# Allegro board WNS_FDM_2V1-1221P2.brd (continued)
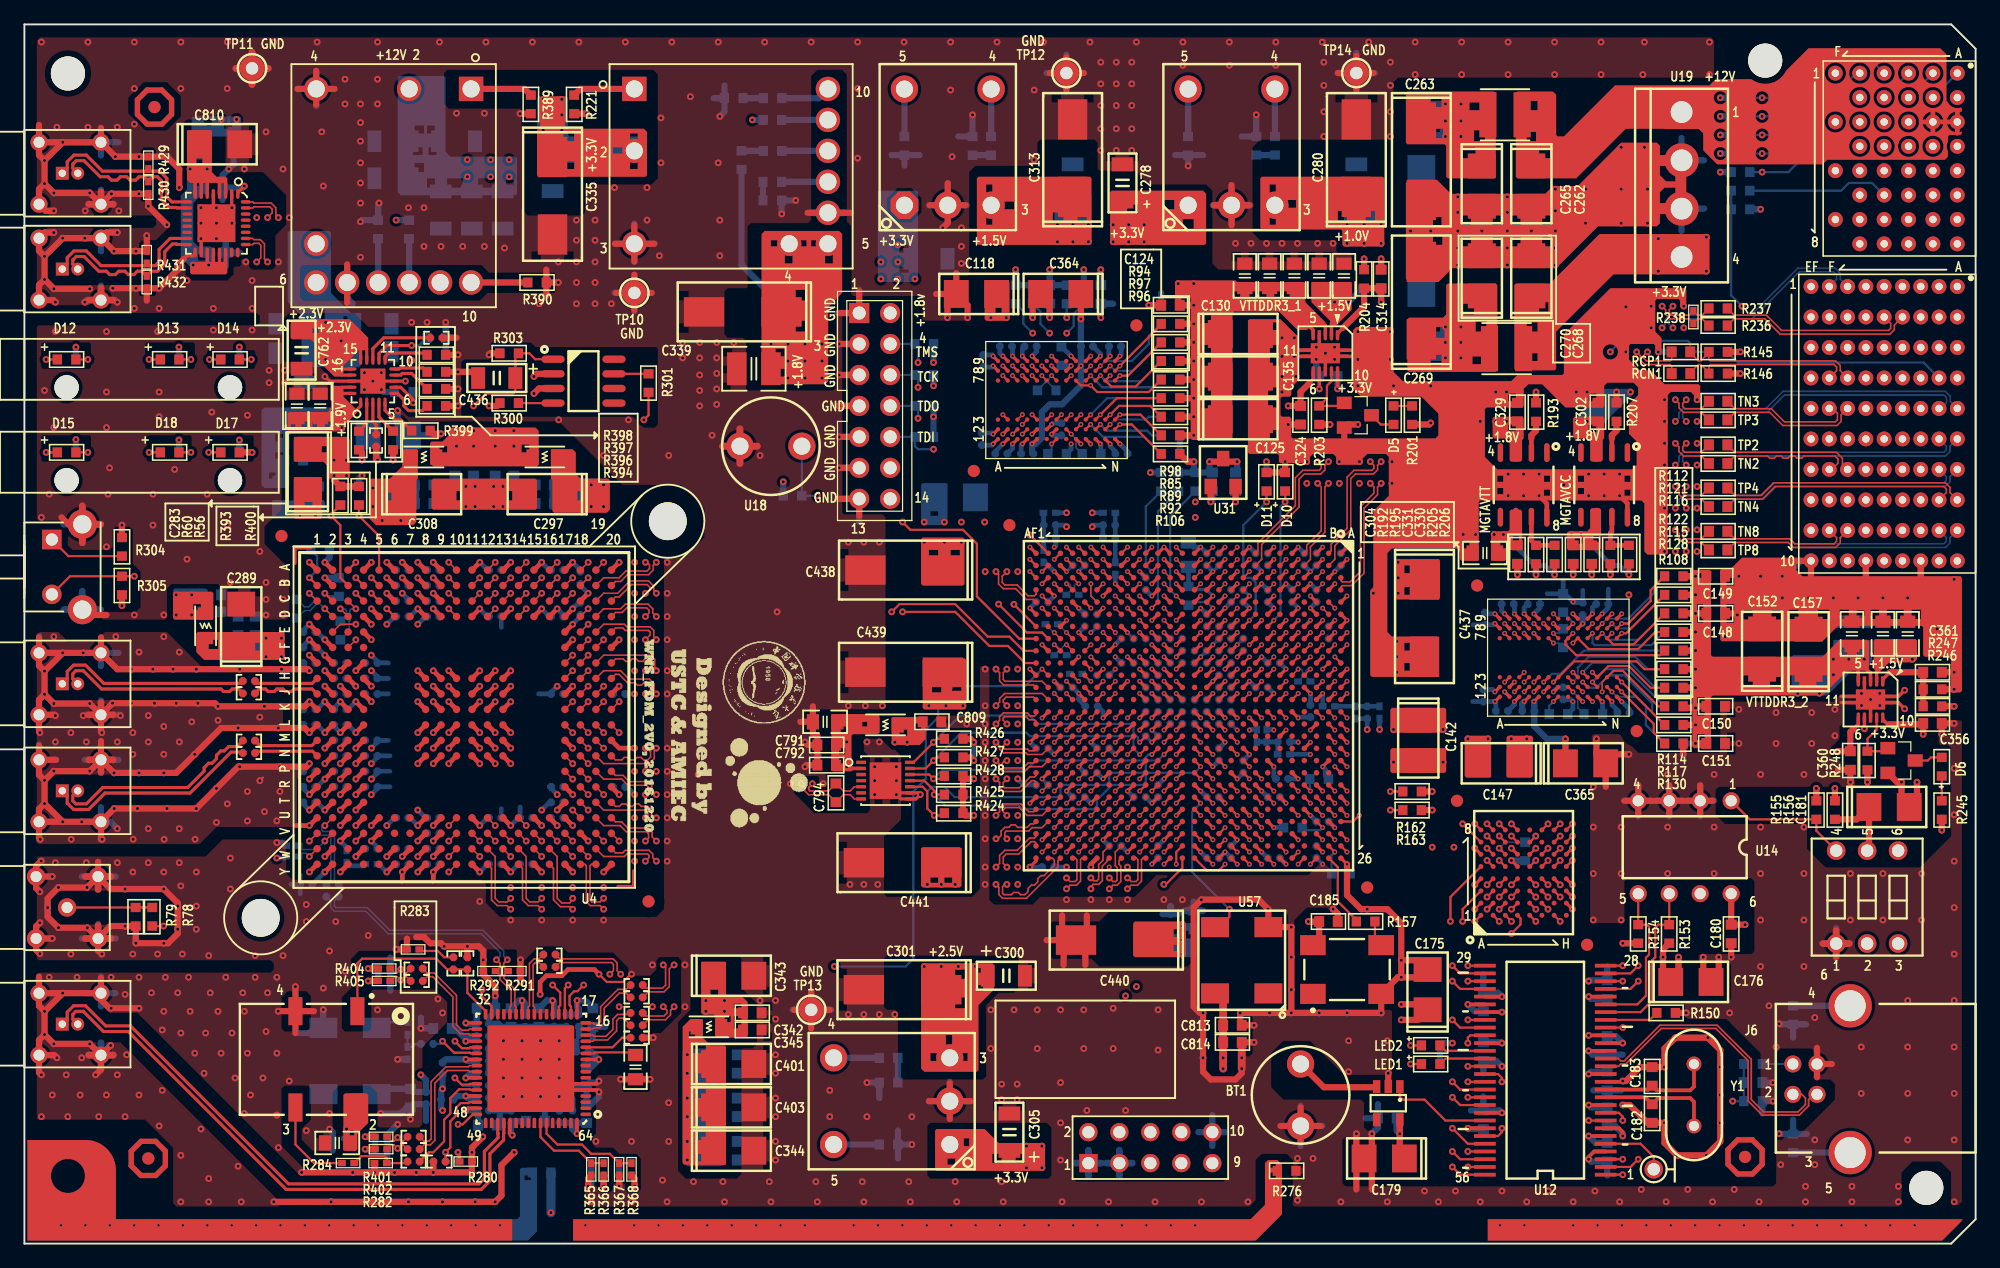
[diagram p0: board, top side]
## Routing (per net, layer and track width the routed paths; a pad name or vN(x,y) marks a point on that pad's centre or on a via; arc(x,y) is an arc through that point) (continued)
ORI_P: length 44.1
  TOP w0.124: U15.AE13 83.45,45.12 80.38,45.12 79.97,44.71 79.97,44.42 v2(79.67,44.12) ; U4.K17 v2(44.96,44.45)
  ART03 w0.109: v2(79.67,44.12) 79.9,43.89 79.9,43.63 79.79,43.52 76.74,43.52 76.42,43.84 76.42,44.86 75.06,46.23 49.98,46.23 48.99,45.24 45.5,45.24 45.21,44.95 45.21,44.7 v2(44.96,44.45)
ORQ_N: length 52.4
  TOP w0.124: U15.AD13 v1(84.45,45.12) ; U4.L18 v2(46.23,41.91)
  ART03 w0.109: v1(84.45,45.12) 84.58,44.99 84.58,44.5 84.45,44.37 83.06,44.37 82.19,45.25 77.44,45.25 75.34,47.35 54.25,47.35 53.54,48.06 48.38,48.06 46.83,46.51 44.61,46.51 44.17,46.07 44.17,41.49 44.54,41.12 45.68,41.12 45.97,41.41 45.97,41.65 v2(46.23,41.91)
ORQ_P: length 52.4
  TOP w0.124: U15.AC13 v1(85.45,45.12) ; U4.L17 v2(44.96,41.91)
  ART03 w0.109: v2(44.96,41.91) 45.55,41.91 45.66,41.8 45.66,41.54 45.55,41.43 44.67,41.43 44.48,41.62 44.48,45.94 44.74,46.2 46.96,46.2 48.51,47.75 53.41,47.75 54.12,47.03 75.21,47.03 77.31,44.93 82.06,44.93 82.93,44.06 83.52,44.06 83.73,43.86 84.05,43.86 84.26,44.06 84.58,44.06 84.89,44.37 84.89,44.94 85.07,45.12 v1(85.45,45.12)
PERSTN: length 18.2
  BOTTOM w0.178: R298.2 140.53,72.26 155.74,72.26 XJ3.B4
PETN0: length 20.1
  BOTTOM w0.124: TN1.2 140.26,68.17 142.9,68.17 144.32,69.6 157.4,69.6 157.61,69.39 157.61,68.96 157.15,68.5 XJ3.B5
PETN1: length 11.2
  TOP w0.124: TN3.2 140.26,68.48 143.25,68.48 144.32,67.4 148.51,67.4 148.67,67.56 148.67,68.12 148.29,68.5 XJ3.F5
PETN2: length 19.4
  BOTTOM w0.124: XJ3.B6 157.6,65.4 157.6,65.1 157.4,64.9 140.26,64.9 TN5.2
PETN3: length 19.9
  BOTTOM w0.124: XJ3.B7 157.6,62.9 157.6,62.6 157.4,62.4 143.51,62.4 142.47,61.37 140.26,61.37 TN7.2
PETN4: length 11.1
  TOP w0.124: XJ3.F7 148.21,63.5 148.72,64.01 148.72,64.34 148.46,64.6 145.91,64.6 145.73,64.42 145.35,64.42 145.17,64.6 144.79,64.6 144.61,64.42 144.23,64.42 144.06,64.6 143.68,64.6 143.5,64.42 143.12,64.42 142.94,64.6 140.26,64.6 TN2.2
PETN5: length 19.9
  TOP w0.124: XJ3.B8 157.6,61.6 157.6,61.9 157.4,62.1 143.55,62.1 142.52,61.06 140.26,61.06 TN4.2
PETN6: length 19.6
  BOTTOM w0.124: TN6.2 140.26,57.81 144.76,57.81 145.16,57.4 157.4,57.4 157.6,57.6 157.6,57.9 XJ3.B9
PETN7: length 10.6
  TOP w0.124: TN8.2 140.26,57.81 144.76,57.81 145.16,57.4 148.4,57.4 148.6,57.6 148.6,57.9 XJ3.F9
PETP0: length 20.5
  BOTTOM w0.124: TP1.2 140.26,68.48 142.77,68.48 144.2,69.9 157.52,69.9 157.91,69.51 157.91,69.09 XJ3.A5
PETP1: length 11.4
  TOP w0.124: TP3.2 140.26,68.17 143.12,68.17 144.2,67.1 148.63,67.1 148.97,67.44 148.97,67.97 XJ3.E5
PETP2: length 19.9
  BOTTOM w0.124: XJ3.A6 157.9,65.4 157.9,64.98 157.52,64.6 140.26,64.6 TP5.2
PETP3: length 20.4
  BOTTOM w0.124: TP7.2 140.26,61.06 142.6,61.06 143.63,62.1 157.52,62.1 157.9,62.48 157.9,62.9 XJ3.A7
PETP4: length 11
  TOP w0.124: TP2.2 140.26,64.9 148.59,64.9 149.08,64.4 149.08,63.92 XJ3.E7
PETP5: length 20.4
  TOP w0.124: TP4.2 140.26,61.37 142.39,61.37 143.43,62.4 157.52,62.4 157.9,62.02 157.9,61.6 XJ3.A8
PETP6: length 20.1
  BOTTOM w0.124: XJ3.A9 157.9,57.9 157.9,57.48 157.52,57.1 145.04,57.1 144.63,57.51 140.26,57.51 TP6.2
PETP7: length 11.1
  TOP w0.124: XJ3.E9 148.9,57.9 148.9,57.48 148.52,57.1 145.04,57.1 144.63,57.51 140.26,57.51 TP8.2
PKTEND: length 38.3
  TOP w0.178: U15.M24 v1(97.45,33.12) ; U12.46 v2(118.36,12)
  ART08 w0.119: v2(118.36,12) 117.73,12.64 117.73,14.1 114.17,17.65 105.92,17.65 104.9,18.67 104.9,24.13 103.25,25.78 103.25,27.69 102.49,28.45 99.82,28.45 97.97,30.3 97.97,32.34 97.45,32.85 v1(97.45,33.12)
PLL_STATUS_LD1: length 93.7
  TOP w0.178: v2(37.53,20.83) 37.53,20.26 38.32,19.47 U34.31 ; U15.T25 v1(92.45,32.12)
  ART03 w0.119: v1(92.45,32.12) 92.19,32.12 91.44,31.37 91.44,22.23 90.3,21.08 v2(90.3,20.32)
  ART08 w0.119: v2(37.53,20.83) 37.53,11.11 38.1,10.54 46.13,10.54 52.23,4.45 84.55,4.45 85.6,5.49 85.6,11.08 90.3,15.78 v2(90.3,20.32)
PLL_STATUS_LD2: length 86.6
  TOP w0.178: v2(35.56,9.78) 35.94,9.78 36.76,10.6 U34.48 ; U15.R25 v1(93.45,32.12)
  ART03 w0.119: v1(93.45,32.12) 92.95,31.62 92.2,31.62 91.82,31.24 91.82,21.72 v2(91.19,21.08)
  ART08 w0.119: v2(91.19,21.08) 91.19,16.13 85.98,10.92 85.98,5.33 84.71,4.06 52.07,4.06 45.97,10.16 35.94,10.16 v2(35.56,9.78)
PPS+: length 84.6
  TOP w0.124: U62.26 18.73,82.44 18.83,82.34 19.34,82.34 19.68,82 19.68,80.77 v2(19.94,80.52) ; U15.AC8 v1(85.45,50.12)
  ART03 w0.109: v1(85.45,50.12) 85.33,50.12 85.22,50.23 85.22,50.62 84.82,51.02 83.79,51.02 83.25,51.56 79.05,51.56 74.68,55.94 64.46,55.94 48.2,72.19 37.79,72.19 34.99,74.99 23.56,74.99 19.74,78.81 19.74,80.32 v2(19.94,80.52)
  BOTTOM w0.127: v1(85.45,50.12) 84.77,50.8 R434.1
PPS-: length 84.5
  TOP w0.124: v2(19.05,80.52) 19.38,80.85 19.38,81.88 19.22,82.04 18.83,82.04 18.73,81.94 U62.25 ; U15.AD8 v1(84.45,50.12)
  ART03 w0.109: v2(19.05,80.52) 19.18,80.52 19.43,80.26 19.43,78.68 23.43,74.68 34.86,74.68 37.12,72.42 37.66,71.88 48.07,71.88 57.69,62.26 64.33,55.63 74.55,55.63 78.93,51.25 83.12,51.25 83.66,50.71 84.69,50.71 84.9,50.49 84.9,50.23 84.79,50.12 v1(84.45,50.12)
  BOTTOM w0.127: R434.2 84.41,50.12 v1(84.45,50.12)
PROGM_B: length 42.9
  TOP w0.178: v1(94.45,51.12) U15.P6
  ART08 w0.119: 65.02,61.59 v2(65.02,61.34) 65.02,58.93 69.47,54.48 75.44,54.48 78.49,51.44 81.66,51.44 83.49,49.6 90.62,49.6 90.93,49.91 90.93,50.29 91.24,50.6 93.94,50.6 v1(94.45,51.12)
  BOTTOM w0.178: v2(65.02,61.34) R169.2 U18.2
PXIE_CLK100+: length 203.1
  TOP w0.124: C768.2 31.31,22.2 31.15,22.2 v2(30.86,22.49) 30.57,22.2 30.37,22.2 R404.1
  ART03 w0.109: v2(30.86,22.49) 31.15,22.21 34.75,22.21 38.48,18.47 45.21,18.47 46.29,17.4 46.29,10.67 49.41,7.55 52.83,7.55 54.16,6.22 80.64,6.22 81.53,5.33 98.36,5.33 99.13,6.1 99.13,7.56 103.38,11.81 107.12,11.81 108.01,10.92 118.49,10.92 119.63,12.06 119.63,22.92 121.47,24.75 126.42,24.75 127.58,25.91 127.58,35.31 134.56,42.29 134.56,49.53 136.08,51.05 137.54,51.05 140.14,53.65 140.71,53.65 141.42,54.36 141.42,56.71 143.83,59.12 143.83,78.68 145.06,79.91 157.52,79.91 157.91,79.52 157.91,79.09 XJ3.A1
PXIE_CLK100-: length 203.1
  TOP w0.124: R405.2 30.37,21.9 30.57,21.9 v2(30.86,21.61) 31.15,21.9 31.31,21.9 C769.2
  ART03 w0.109: XJ3.B1 157.59,79.09 157.59,79.4 157.4,79.59 145.19,79.59 144.15,78.55 144.15,58.99 141.73,56.58 141.73,54.23 140.84,53.34 140.27,53.34 137.67,50.74 136.21,50.74 134.87,49.4 134.87,42.16 127.89,35.18 127.89,25.78 126.55,24.44 121.6,24.44 119.95,22.79 119.95,11.94 118.62,10.61 107.88,10.61 106.99,11.5 103.51,11.5 99.44,7.43 99.44,5.97 98.49,5.02 81.4,5.02 80.52,5.91 54.03,5.91 52.71,7.24 49.28,7.24 45.97,10.54 45.97,17.27 45.09,18.16 38.35,18.16 35.63,20.89 35.34,20.89 34.98,21.25 34.98,21.53 34.62,21.89 34.11,21.89 33.91,21.69 33.4,21.69 33.2,21.89 32.69,21.89 32.49,21.69 31.98,21.69 31.78,21.89 31.15,21.89 v2(30.86,21.61)
PXIE_DSTARA+: length 186.8
  TOP w0.124: R401.1 30.11,8.41 30.31,8.41 v2(30.61,8.7) 30.9,8.41 31.06,8.41 C765.2
  ART03 w0.109: v2(30.61,8.7) 30.9,8.41 35.34,8.41 38.1,11.18 39.88,11.18 42.74,8.31 45.85,8.31 47.88,6.28 52.71,6.28 54.54,4.45 99.06,4.45 100.27,5.66 100.27,7.11 101.16,8 115.06,8 115.7,8.64 121.23,8.64 121.73,9.14 121.73,22.55 122.49,23.3 126.55,23.3 129.35,26.1 129.35,35.63 135.51,41.78 135.51,48.89 136.14,49.53 137.23,49.53 140.33,52.64 141.66,52.64 143.2,54.17 143.2,56.77 144.91,58.48 144.91,76.58 145.73,77.41 148.52,77.41 148.91,77.02 148.91,76.59 XJ3.E2
PXIE_DSTARA-: length 186.8
  TOP w0.124: C766.2 31.06,8.1 30.9,8.1 v2(30.61,7.81) 30.31,8.1 30.11,8.1 R402.2
  ART03 w0.109: XJ3.F2 148.59,76.59 148.59,76.9 148.4,77.09 145.86,77.09 145.22,76.45 145.22,58.35 143.51,56.64 143.51,54.04 141.79,52.32 140.46,52.32 137.36,49.22 136.27,49.22 135.82,48.77 135.82,41.65 129.67,35.5 129.67,25.97 126.68,22.99 122.62,22.99 122.05,22.42 122.05,9.01 121.36,8.32 115.83,8.32 115.19,7.69 101.29,7.69 100.58,6.99 100.58,5.53 99.19,4.13 54.41,4.13 52.58,5.97 47.75,5.97 45.72,8 42.61,8 39.75,10.86 38.23,10.86 36.47,9.1 36.47,8.82 36.11,8.46 35.82,8.46 35.46,8.1 33.4,8.1 33.2,7.9 32.69,7.9 32.49,8.1 31.98,8.1 31.78,7.9 31.45,7.9 31.25,8.1 30.9,8.1 v2(30.61,7.81)
PXIE_DSTARB+: length 15.9
  TOP w0.124: XJ3.C2 153.34,75.34 153.34,74.95 152.99,74.6 143.97,74.6 142.72,75.85 140.2,75.85 R236.2
PXIE_DSTARB-: length 15.3
  TOP w0.124: R237.2 140.2,76.15 142.84,76.15 144.09,74.9 152.86,74.9 153.03,75.07 153.03,75.47 XJ3.D2
PXIE_DSTARC+: length 12.6
  BOTTOM w0.124: R234.2 140.2,76.15 141.56,76.15 145.41,80.01 148.46,80.01 148.9,79.57 148.9,79.1 XJ3.E1
PXIE_DSTARC-: length 12.1
  BOTTOM w0.124: R235.2 140.2,75.85 141.68,75.85 145.54,79.71 148.34,79.71 148.6,79.45 148.6,79.1 XJ3.F1
REFCLK+: length 15
  TOP w0.124: 138.13,73.06 138.13,72.53 138.25,72.4 148.52,72.4 148.9,72.02 148.9,71.6 XJ3.E4 ; 138.13,73.06 137.46,72.4 137.26,72.4 136.6,73.06 RCP1.2 ; 138.13,73.06 R145.2
REFCLK-: length 14.5
  TOP w0.124: 138.13,71.44 137.46,72.1 137.26,72.1 136.6,71.44 RCN1.2 ; 138.13,71.44 R146.2 ; 138.13,71.44 138.13,71.97 138.25,72.1 148.4,72.1 148.6,71.9 148.6,71.6 XJ3.F4
RESET#: length 8.6
  TOP w0.178: U12.49 116.52,10.1 114.81,11.81 113.03,11.81 112.79,12.05 U13.1
SCL: length 14.1
  TOP w0.178: U12.22 132.52,18.99 133.48,19.94 133.48,23.24 133.73,23.5 133.73,25.91 133.99,26.16 R153.1 U14.6
SCLK: length 82.7
  TOP w0.178: U4.C5 v2(28.45,53.34) ; v1(88.45,46.12) U15.AA12
  ART03 w0.102: 88.9,47.5 87.88,48.52 87.01,48.52
  ART03 w0.119: v2(28.45,53.34) 27.81,52.7 26.92,52.7 26.54,53.09 26.54,53.47 25.15,54.86 25.15,56.9 26.67,58.42 33.15,58.42 34.44,59.72 47.78,59.72 50.7,62.64 55.02,62.64 63.3,54.36 74.42,54.36 78.49,50.29 82.93,50.29 83.95,49.28 83.95,48.9 84.2,48.64 85.72,48.64 85.79,48.71 85.98,48.9 86.63,48.9 87.01,48.52 ; v1(88.45,46.12) 88.9,46.57 88.9,47.5
SDA: length 12.9
  TOP w0.178: U12.23 132.26,19.62 132.97,20.33 132.97,23.45 133.22,23.71 133.22,25.98 133.05,26.16 R154.1 U14.5
SDI: length 73
  TOP w0.178: U15.AB10 v1(87.45,47.12) ; U4.B4 v2(27.18,54.61)
  ART03 w0.119: v2(27.18,54.61) 26.31,55.47 26.31,56.54 27.05,57.28 33.91,57.28 35.18,58.55 48.26,58.55 51.18,61.47 54.42,61.47 62.67,53.21 74.04,53.21 78.05,49.2 81.86,49.2 83.19,47.88 83.69,47.88 84.2,47.37 85.47,47.37 85.72,47.12 v1(87.45,47.12)
SDO: length 65.9
  TOP w0.127: U15.AC12 v1(85.45,46.12)
  TOP w0.178: U4.A3 v2(27.18,55.88)
  ART03 w0.119: v2(27.18,55.88) 27.18,56.13 27.56,56.52 34.42,56.52 35.69,57.78 49.02,57.78 50.29,56.52 58.29,56.52 62.36,52.45 73.79,52.45 77.72,48.51 81.41,48.51 82.17,47.75 82.55,47.75 82.93,47.37 82.93,46.86 83.19,46.61 84.96,46.61 v1(85.45,46.12)
SLOE: length 40.2
  TOP w0.178: U15.P20 v1(94.45,37.12) ; U12.42 v2(118.36,14.54)
  ART03 w0.119: v2(118.36,14.54) 118.05,14.54 114.43,18.16 114.43,23.24 111.63,26.04 106.68,26.04 105.73,26.99 105.47,26.99 103.87,28.59 101.2,28.59 98.98,30.81 98.98,32.34 98.68,32.64 98.17,32.64 97.96,32.85 97.96,33.36 97.72,33.6 97.21,33.6 95.76,35.05 95.76,35.56 95.5,35.81 95.5,36.45 94.83,37.12 v1(94.45,37.12)
SLRD: length 56.4
  TOP w0.178: U15.M22 v1(97.45,35.12) ; U12.8 v2(128.27,10.1)
  ART08 w0.119: v1(97.45,35.12) 96.97,34.63 96.97,31.94 96.65,31.62 96.65,29.59 97.54,28.7 97.54,27.94 95.89,26.29 95.89,18.8 98.04,16.64 99.57,16.64 100.33,15.88 101.35,15.88 102.11,16.64 105.28,16.64 105.66,16.26 107.44,16.26 113.6,10.1 v2(128.27,10.1)
SLWR: length 54.7
  TOP w0.178: U15.M25 v1(97.45,32.12) ; v2(131.06,10.1) 131.06,10.41 130.75,10.73 U12.9
  ART08 w0.119: v1(97.45,32.12) 97.45,31.92 97.03,31.5 97.03,29.84 97.92,28.96 97.92,27.69 96.27,26.04 96.27,20.19 99.31,17.14 105.28,17.14 105.66,16.76 107.57,16.76 113.03,11.3 121.54,11.3 122.17,10.67 130.49,10.67 v2(131.06,10.1)
SMBCLK: length 22.9
  TOP w0.178: U15.U17 v1(91.45,40.12) ; U60.13 73.9,38.97 v2(74.55,39.62) 74.81,39.88 R427.2
  BOTTOM w0.178: v1(91.45,40.12) 90.95,40.62 90.95,41.38 90.71,41.62 82.46,41.62 82.17,41.91 76.84,41.91 v2(74.55,39.62)
SMBDAT: length 22.5
  TOP w0.178: R428.2 75.2,38.12 v2(74.55,38.12) 74.2,38.47 U60.12 ; U15.T17 v1(92.45,40.12)
  BOTTOM w0.178: v1(92.45,40.12) 92.19,40.12 91.69,39.62 82.93,39.62 82.17,38.86 75.29,38.86 v2(74.55,38.12)
STAR_PXI: length 11.7
  BOTTOM w0.178: XJ4.D6 151.51,87 149.61,87 148.97,86.36 R132.2
SYNC_CLK_125M+: length 94.1
  TOP w0.124: U15.AB11 v1(87.45,46.12) ; U62.32 18.73,85.44 18.83,85.34 20.24,85.34 20.62,84.96 20.62,84.36 v2(20.83,84.15)
  ART08 w0.109: v1(87.45,46.12) 87.31,46.27 87.31,46.63 87.02,46.92 85.79,46.92 84.2,48.51 83.25,48.51 82.68,49.08 82.68,49.46 81.54,50.6 77.67,50.6 74.74,53.53 69.6,53.53 61.34,61.78 61.34,66.42 59.85,67.91 55.21,67.91 47.94,75.18 37.08,75.18 35.81,76.45 23.24,76.45 21.97,77.72 21.97,81.28 20.54,82.71 20.54,83.86 v2(20.83,84.15)
  BOTTOM w0.127: v1(87.45,46.12) 87.36,46.12 R433.2
SYNC_CLK_125M-: length 94.1
  TOP w0.124: v2(19.94,84.15) 20.32,84.53 20.32,84.84 20.11,85.04 18.83,85.04 18.73,84.94 U62.31
  TOP w0.127: U15.AC11 v1(86.45,46.12)
  ART08 w0.109: v2(19.94,84.15) 20.23,83.86 20.23,82.58 21.66,81.15 21.66,77.59 23.11,76.14 35.68,76.14 36.95,74.87 47.81,74.87 55.08,67.6 59.72,67.6 61.03,66.29 61.03,61.65 69.47,53.21 74.62,53.21 77.54,50.29 81.41,50.29 82.36,49.33 82.36,48.95 83.12,48.2 84.07,48.2 85.66,46.61 86.89,46.61 87,46.5 87,46.23 86.89,46.12 v1(86.45,46.12)
  BOTTOM w0.127: v1(86.45,46.12) 86.34,46.12 85.72,46.74
TCK: length 46.3
  TOP w0.178: U15.L8 v1(98.45,50.12)
  ART08 w0.119: v1(98.45,50.12) U15.L8 95.79,49.62 94.94,50.47 94.94,51.31 94.61,51.64 91.26,51.64 90.23,50.6 83.13,50.6 81.92,51.82 79.38,51.82 74.55,56.64 74.55,62.2 73.91,62.83 73.91,69.6 v2(73.28,70.23)
  BOTTOM w0.178: J7.6 R165.2 73.28,70.99 v2(73.28,70.23)
TCRIT1: length 29.9
  TOP w0.178: U60.10 73.65,37.47 74.04,37.09 74.04,35.69 v2(74.61,35.12) 75.25,35.12 R424.2 ; U15.R17 v1(93.45,40.12)
  BOTTOM w0.178: v1(93.45,40.12) 92.96,39.62 92.2,39.62 91.95,39.37 91.95,38.87 91.71,38.62 89.2,38.62 88.95,38.37 88.95,37.9 88.67,37.62 85.22,37.62 84.96,37.36 84.96,36.82 84.75,36.62 76.28,36.62 75.44,37.47 74.42,37.47 74.04,37.08 74.04,35.69 v2(74.61,35.12)
TCRIT2: length 28.6
  TOP w0.178: U60.11 73.79,37.97 74.64,37.12 74.64,36.87 v2(74.61,36.83) R425.2 ; U15.N18 v1(96.45,39.12)
  BOTTOM w0.178: v1(96.45,39.12) 95.95,38.62 92.21,38.62 91.95,38.36 91.95,37.85 91.72,37.62 89.18,37.62 87.95,36.39 87.95,35.88 87.69,35.62 81.85,35.62 81.53,35.94 75.5,35.94 v2(74.61,36.83)
TCRIT3: length 23.5
  TOP w0.178: U15.U16 v1(91.45,41.12) ; U60.14 72.9,39.47 v2(74.55,41.12) 74.83,41.4 R426.2
  BOTTOM w0.178: v2(74.55,41.12) 76.74,43.31 82.41,43.31 83.09,42.62 90.73,42.62 90.95,42.4 90.95,41.89 91.31,41.53 91.31,41.26 v1(91.45,41.12)
TDI: length 32.3
  TOP w0.127: U15.R6 v1(93.45,52.12)
  ART03 w0.119: v2(74.55,65.15) 80.77,58.93 82.62,58.93 83.06,58.49 83.06,56.26 83.95,55.37 83.95,54.86 84.2,54.61 84.71,54.61 84.96,54.36 84.96,53.85 85.34,53.47 85.85,53.47 86.23,53.09 86.74,53.09 87.12,52.7 87.63,52.7 87.97,52.37 87.97,51.86 88.52,51.31 90.93,51.31 91.25,51.62 92.96,51.62 v1(93.45,52.12)
  BOTTOM w0.178: 70.99,66.17 R167.2 73.03,65.41 73.28,65.15 v2(74.55,65.15)
TDO: length 34
  TOP w0.127: U15.R7 v1(93.45,51.12)
  ART03 w0.119: v1(93.45,51.12) 92.96,50.62 90.73,50.62 90.42,50.93 88.01,50.93 86.93,52.01 86.93,52.39 86.61,52.7 86.11,52.7 85.73,53.09 85.22,53.09 84.71,53.59 84.2,53.59 83.95,53.85 83.95,54.36 83.69,54.61 83.19,54.61 82.93,54.86 82.93,55.37 82.68,55.63 82.17,55.63 81.79,56.01 81.79,57.02 73.28,65.53 v2(73.28,67.69)
  BOTTOM w0.178: J7.8 R166.2 73.28,68.45 v2(73.28,67.69)
TEST1: length 91.3
  TOP w0.178: U15.AF9 81.94,48.62 80.77,49.78 78.99,49.78 76.33,52.45 71.75,52.45 v2(71.12,51.82) ; D12.2 v2(5.21,72.52)
  ART08 w0.119: v2(5.21,72.52) 5.84,71.88 15.37,71.88 16.38,72.9 17.91,72.9 18.29,73.28 26.29,73.28 27.43,74.42 34.92,74.42 35.67,73.68 47.6,73.68 69.47,51.82 v2(71.12,51.82)
TEST2: length 82.5
  TOP w0.178: D13.2 v2(13.65,72.52) ; v2(72.01,51.82) 76.33,51.82 79.12,49.02 80.64,49.02 82.05,47.62 U15.AF10
  ART08 w0.119: v2(72.01,51.82) 71.37,52.45 69.34,52.45 47.75,74.04 35.81,74.04 35.05,74.8 19.94,74.8 19.3,74.17 17.14,74.17 16.13,73.15 14.29,73.15 v2(13.65,72.52)
TEST3: length 80
  TOP w0.178: D14.2 v2(18.6,72.52) ; v2(79.88,52.45) 82.21,50.12 83.45,50.12 U15.AE8
  ART10 w0.119: v2(79.88,52.45) 78.99,52.45 76.6,54.84 75.59,54.84 73.15,57.28 73.15,61.21 72.01,62.36 66.55,62.36 64.92,63.99 46,63.99 35.18,74.8 20.89,74.8 v2(18.6,72.52)
TEST4: length 96.9
  TOP w0.178: D15.2 v2(5.21,64.9) ; v2(72.01,59.18) 72.64,58.55 76.96,58.55 78.11,57.4 78.11,53.09 81.57,49.62 U15.AF8
  ART10 w0.119: v2(72.01,59.18) 71.5,59.69 67.56,59.69 66.67,60.58 66.67,61.59 64.64,63.63 45.72,63.63 35.05,74.3 27.56,74.3 26.73,73.47 20.51,73.47 18.92,71.88 18.92,70.23 15.75,67.06 11.43,67.06 9.27,64.9 v2(5.21,64.9)
TEST5: length 85.1
  TOP w0.178: D18.2 v2(13.65,64.9) ; v2(81.14,52.44) U15.AF7
  ART10 w0.119: v2(13.65,64.9) 14.92,66.17 15.62,66.17 19.3,69.85 19.3,71.75 20.64,73.09 33.46,73.09 34.29,72.26 36.45,72.26 45.47,63.25 64.26,63.25 66.17,61.34 66.17,60.45 67.31,59.31 70.61,59.31 75.44,54.48 76.45,54.48 79.12,51.82 80.52,51.82 v2(81.14,52.44)
TMS: length 46.8
  TOP w0.178: U15.N8 v1(96.45,50.12)
  ART08 w0.119: v1(96.45,50.12) 95.8,50.12 95.25,50.67 95.25,51.44 94.04,52.64 91.25,52.64 90.93,52.32 90.93,51.82 90.75,51.64 83.24,51.64 82.93,51.94 82.93,52.32 82.17,53.09 78.82,53.09 76.07,55.84 76.07,69.98 74.8,71.25 74.3,71.25 v2(73.28,72.26)
  BOTTOM w0.178: 70.99,73.79 R164.2 73.28,73.53 v2(73.28,72.26)
TRIGGER1: length 102.7
  TOP w0.178: R78.2 v2(11.42,26.05) ; U15.P23 v1(94.45,34.12)
  ART10 w0.119: v1(94.45,34.12) 94.66,34.12 95.25,33.53 95.25,29.72 95.63,29.34 95.63,24.64 95.29,24.3 93.39,24.3 86.87,17.78 56.13,17.78 54.99,18.92 54.99,19.68 54.48,20.19 46.35,20.19 45.97,20.57 43.05,20.57 41.27,22.35 34.92,22.35 34.16,23.11 22.61,23.11 21.46,24.26 13.21,24.26 v2(11.42,26.05)
VBIASI1: length 1.7
  TOP w0.381: U4.J4 v2(28.45,44.45)
  BOTTOM w0.381: v2(28.45,44.45) 27.95,44.95 C18.1
VBIASI2: length 1.9
  TOP w0.381: U4.K2 v2(24.64,44.45)
  BOTTOM w0.381: C19.1 24,43.81 v2(24.64,44.45)
VBIASQ1: length 1.9
  TOP w0.381: U4.L2 v2(24.64,41.91)
  BOTTOM w0.381: C20.1 24,42.55 v2(24.64,41.91)
VBIASQ2: length 1.9
  TOP w0.381: U4.M4 v2(27.18,40.64)
  BOTTOM w0.381: C21.1 U4.M4 v2(27.18,40.64)
VCMO: length 2.1
  TOP w0.178: U4.C2 v2(24.64,53.34)
  BOTTOM w0.178: R407.1 24.89,53.09 v2(24.64,53.34)
VTTDDR3_1: length 32
  TOP w0.279: U29.5 105.68,74.91 105.16,75.44 ; 106.3,75.69 106.68,75.31 U29.3
  TOP w0.508: R92.1 v2(95.89,66.29) ; R96.1 v2(95.89,72.39) ; v2(94.61,78.74) 94.61,77.09 C124.2 v2(95.89,76.96) ; R89.1 v2(95.89,67.82) ; R97.1 v2(95.89,73.91) ; R85.1 v2(95.89,69.34) ; R94.1 v2(95.89,75.44) ; R98.1 v2(95.89,70.87)
  BOTTOM w0.508: R86.1 R92.1 v2(95.89,66.29) ; R89.1 v2(95.89,67.82) ; C124.2 v2(95.89,76.96) ; R104.1 R103.1 v2(81.28,79.88) ; R90.1 v2(86.87,79.88) ; v2(84.07,79.88) C122.2 R105.1 ; R85.1 v2(95.89,69.34) ; R97.1 v2(95.89,73.91) ; R96.1 v2(95.89,72.39) ; C123.2 v2(88.27,79.88) ; R94.1 v2(95.89,75.44) ; R98.1 v2(95.89,70.87)
  vias: v2(95.89,78.74)
VTTDDR3_2: length 22.7
  TOP w0.279: U33.3 151.38,46.79 150.88,47.29 ; U33.5 150.38,47.15
  TOP w0.508: R117.1 v2(137.03,42.55) ; R114.1 136.14,43.94 v2(137.03,43.94) ; R128.1 v2(137.03,47.12) ; C151.2 v2(137.03,41.02) ; R121.1 v2(137.03,53.21) ; R112.1 v2(137.03,54.74) ; R115.1 v2(137.03,48.64) ; R116.1 v2(137.03,51.69) ; R108.1 v2(137.03,45.59) ; R122.1 v2(137.03,50.16)
  BOTTOM w0.508: v2(137.03,43.94) 136.14,43.94 R114.1 ; R112.1 v2(137.03,54.74) ; R117.1 v2(137.03,42.55) ; R108.1 v2(137.03,45.59) ; R115.1 v2(137.03,48.64) ; R128.1 v2(137.03,47.12) ; R122.1 v2(137.03,50.16) ; R116.1 v2(137.03,51.69) ; R113.1 v2(137.03,41.02) ; R121.1 v2(137.03,53.21)
  vias: v2(145.41,45.14) v2(147.19,45.14) v2(148.34,47.93) v2(148.34,46.66) v2(149.61,47.93) v2(150.88,47.93)
VTTVREF_1: length 40.9
  TOP w0.254: U10.E1 v1(82.63,65.59) ; U10.J8 v1(86.63,71.99)
  TOP w0.279: U29.6 105.68,70.88 105.35,70.55
  TOP w0.508: v2(86.63,75.84) C364.1 ; 105.35,70.55 104.65,69.85 C324.1 v2(103.63,68.71)
  ART10 w0.508: v2(103.63,68.71) 102.74,68.71 96.77,74.68 87.79,74.68 v2(86.63,75.84)
  BOTTOM w0.508: v2(86.63,75.84) C136.2 v1(86.63,71.99) 86.63,70.38 85.09,68.83 84.07,68.83 83.44,68.2 83.44,66.1 82.93,65.59 v1(82.63,65.59) 82.63,64.89 C137.2
VTTVREF_2: length 46.5
  TOP w0.254: U11.J8 v1(127.78,50.86) ; U11.E1 v1(123.78,44.46)
  TOP w0.279: 149.99,42.21 150.38,42.61 U33.6
  TOP w0.508: C365.1 v2(126.36,41.4) ; v2(148.72,40.39) C360.1 149.73,41.96 149.99,42.21
  ART08 w0.381: v1(127.78,50.86) 127.78,48.91 126.11,47.24 126.11,44.45 125.48,43.81 124.42,43.81 v1(123.78,44.46)
  ART08 w0.508: v2(126.36,41.4) 128.4,39.37 147.7,39.37 v2(148.72,40.39)
  BOTTOM w0.508: v1(127.78,50.86) C163.2 ; v2(126.36,41.4) 124.84,41.4 123.82,42.43 C164.2 123.82,44.42 v1(123.78,44.46)
WAKEUP: length 29.9
  TOP w0.178: U12.51 120.84,8.83 121.16,9.14 v2(121.16,9.46)
  ART08 w0.119: v2(140.08,11.68) 140.08,8.51 138.18,6.6 135.13,6.6 134.11,7.62 123,7.62 v2(121.16,9.46)
  BOTTOM w0.178: v2(140.08,11.68) R147.2 C177.2 R149.2
WU2: length 36.5
  TOP w0.178: v2(121.16,13.27) 121.16,13.59 120.84,13.91 U12.43
  ART08 w0.119: v2(121.16,13.27) 129.48,13.27 133.99,17.78 139.83,17.78 145.41,23.37 149.86,23.37 SW1.2
XIRU_TEST_PORT2: length 25.3
  TOP w0.178: U15.R26 v1(93.45,31.12)
  ART03 w0.119: J14.2 90.93,12.83 90.93,19.94 92.46,21.46 92.46,30.12 v1(93.45,31.12)
XIRU_TEST_PORT4: length 24.7
  TOP w0.178: U15.P26 94.95,30.82 93.6,29.46 v2(93.44,29.46)
  ART03 w0.119: J14.4 91.31,10.67 91.31,19.68 92.84,21.21 92.84,28.87 v2(93.44,29.46)
XIRU_TEST_PORT5: length 30.1
  TOP w0.178: U15.T24 v1(92.45,33.12)
  ART03 w0.119: v1(92.45,33.12) 92.93,32.64 93.73,32.64 93.98,32.38 93.98,27.18 93.47,26.67 93.47,21.21 91.69,19.43 91.69,10.41 91.06,9.78 91.06,7.87 J14.5
XIRU_TEST_PORT6: length 24.8
  TOP w0.178: U15.P25 94.45,32.12 v1(94.45,31.12)
  ART03 w0.119: J14.6 92.08,9.4 92.08,19.18 93.85,20.95 93.85,26.29 94.36,26.8 94.36,31.03 v1(94.45,31.12)
XIRU_TEST_PORT7: length 31.2
  TOP w0.178: U15.T23 v1(92.45,34.12)
  ART03 w0.119: J14.7 93.6,7.87 93.6,20.07 95.5,21.97 95.5,30.73 94.49,31.75 94.49,32.38 93.98,32.89 93.98,33.27 93.62,33.63 92.94,33.63 v1(92.45,34.12)
XIRU_TEST_PORT8: length 26.2
  TOP w0.178: U15.P24 v1(94.45,33.12)
  ART03 w0.119: v1(94.45,33.12) 94.87,32.7 94.87,31.88 95.89,30.86 95.89,21.72 94.23,20.07 94.23,10.92 94.87,10.29 J14.8
XIRU_TEST_PORT9: length 32.2
  TOP w0.178: U15.R23 v1(93.45,34.12)
  ART03 w0.119: J14.9 96.14,7.87 96.14,10.03 95,11.18 95,19.94 96.27,21.21 96.27,26.42 97.28,27.43 97.28,28.57 96.39,29.46 96.39,30.99 95.25,32.13 95.25,33.15 94.8,33.59 94.17,33.59 93.64,34.12 v1(93.45,34.12)
XTALIN: length 9.5
  TOP w0.305: Y1.1 136.91,12.88 136.6,12.57 133.86,12.57 C183.2 133.16,12.64 U12.12
XTALOUT: length 9.8
  TOP w0.305: U12.11 132.91,12 C182.2 133.99,11.94 136.6,11.94 136.91,11.63 Y1.2
N2479949: length 4.2
  TOP w0.124: U4.C3 v2(27.18,52.07)
  BOTTOM w0.124: R47.1 26.63,50.26 26.63,51.05 26.69,51.11 26.69,51.95 26.82,52.07 v2(27.18,52.07)
N2479955: length 2.5
  TOP w0.124: U4.D3 v2(25.91,52.07)
  BOTTOM w0.124: v2(25.91,52.07) 26.27,52.07 26.39,51.95 26.39,51.54 R47.2
N2479965: length 3.6
  TOP w0.124: U4.C1 v2(23.37,53.34)
  BOTTOM w0.124: v2(23.37,53.34) 23.81,52.9 23.81,52.72 23.31,52.22 22.96,52.22 R48.1
N2479971: length 3.9
  TOP w0.124: U4.D2 v2(24.64,52.07)
  BOTTOM w0.124: v2(24.64,52.07) 24.2,52.51 24.02,52.51 23.43,51.92 22.96,51.92 R48.2
N2480023: length 3.7
  TOP w0.178: U4.B1 v2(23.37,54.61)
  BOTTOM w0.178: v2(23.37,54.61) 24,55.24 24,56.39 R54.1
N2480027: length 3.5
  TOP w0.124: U4.V2 v2(24.64,33.02)
  BOTTOM w0.124: R52.1 22.8,32.32 23.93,32.32 v2(24.64,33.02)
N2480033: length 2
  TOP w0.124: U4.W1 v2(23.37,31.75)
  BOTTOM w0.124: v2(23.37,31.75) 23.1,32.01 22.74,32.01 R53.1
N2480455: length 6.9
  TOP w0.178: R56.1 v2(27.43,59.69) 29.08,58.04 U4.A5
  BOTTOM w0.178: R56.1 v2(27.43,59.69)
N2480549: length 3.6
  TOP w0.381: U4.Y3 v2(25.91,30.48)
  BOTTOM w0.381: R59.1 27.81,30.99 26.67,30.99 R58.1 26.42,30.99 v2(25.91,30.48)
N2480699: length 8.7
  TOP w0.178: R60.1 25.15,59.82 v2(25.15,59.69) 25.91,58.93 25.91,54.61 U4.B3
  BOTTOM w0.178: R60.1 25.15,59.82 v2(25.15,59.69)
N2522021: length 7
  TOP w0.178: R78.1 R79.1 J4.1
N6978723: length 2.6
  TOP w0.178: U15.B25 v1(107.45,32.12)
  BOTTOM w0.178: v1(107.45,32.12) 107.19,31.85 R159.2
N6978739: length 6.1
  TOP w0.178: R157.2 108.97,26.67 108.97,26.8 107.7,28.07 107.7,30.88 U15.B26
N6983049: length 10.4
  TOP w0.127: U15.P5 v1(94.45,53.12)
  BOTTOM w0.178: R171.2 93.95,59.66 93.95,53.62 v1(94.45,53.12)
N6983053: length 11.2
  TOP w0.127: U15.T5 v1(92.45,52.12)
  BOTTOM w0.178: R174.2 92.95,60.06 U15.T5 v1(92.45,52.12)
N6983057: length 8
  TOP w0.178: U15.T2 v1(92.45,55.12)
  BOTTOM w0.178: v1(92.45,55.12) 91.95,55.62 91.95,60.46 R172.2
N6983091: length 13.8
  TOP w0.178: U15.J7 v1(100.45,51.12) ; D11.1 v2(101.85,60.83)
  BOTTOM w0.178: v1(100.45,51.12) 100.97,51.63 100.97,54.23 100.58,54.61 100.2,54.61 99.95,54.86 99.95,58.93 v2(101.85,60.83) D11.1
N7941632: length 3
  TOP w0.178: U17.C6 v2(120.94,32.43)
  BOTTOM w0.127: R173.1 121.44,32.93 v2(120.94,32.43)
